# Altium PCB PCB2.PcbDoc
Units mm, origin at the board's own origin, x right, y up, seen from the top; angles counter-clockwise.
Board outline 108 x 88 mm, 2 copper layers (Top Layer, Bottom Layer); 49 components, 31 nets, 166 pads, 0 vias.
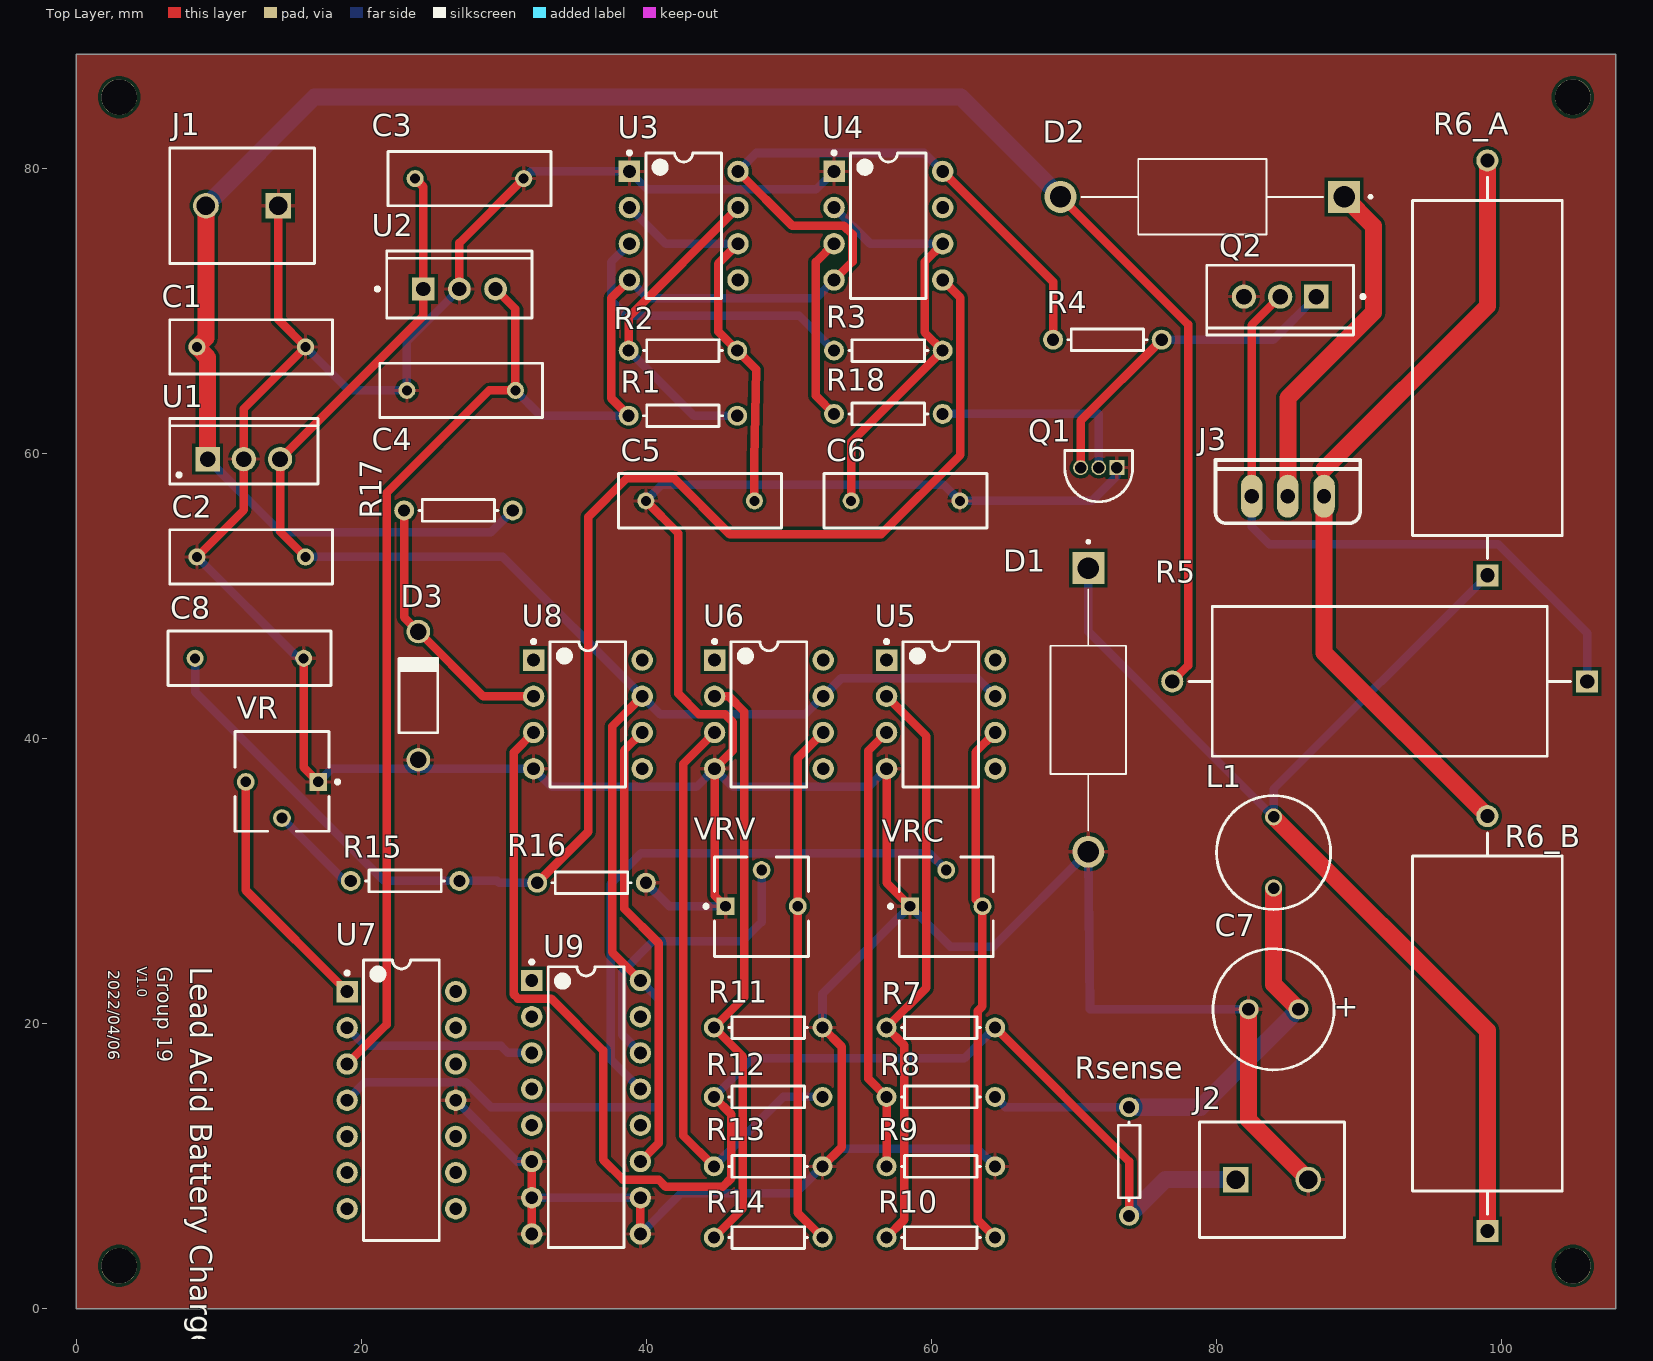
[diagram p0: Top Layer view]
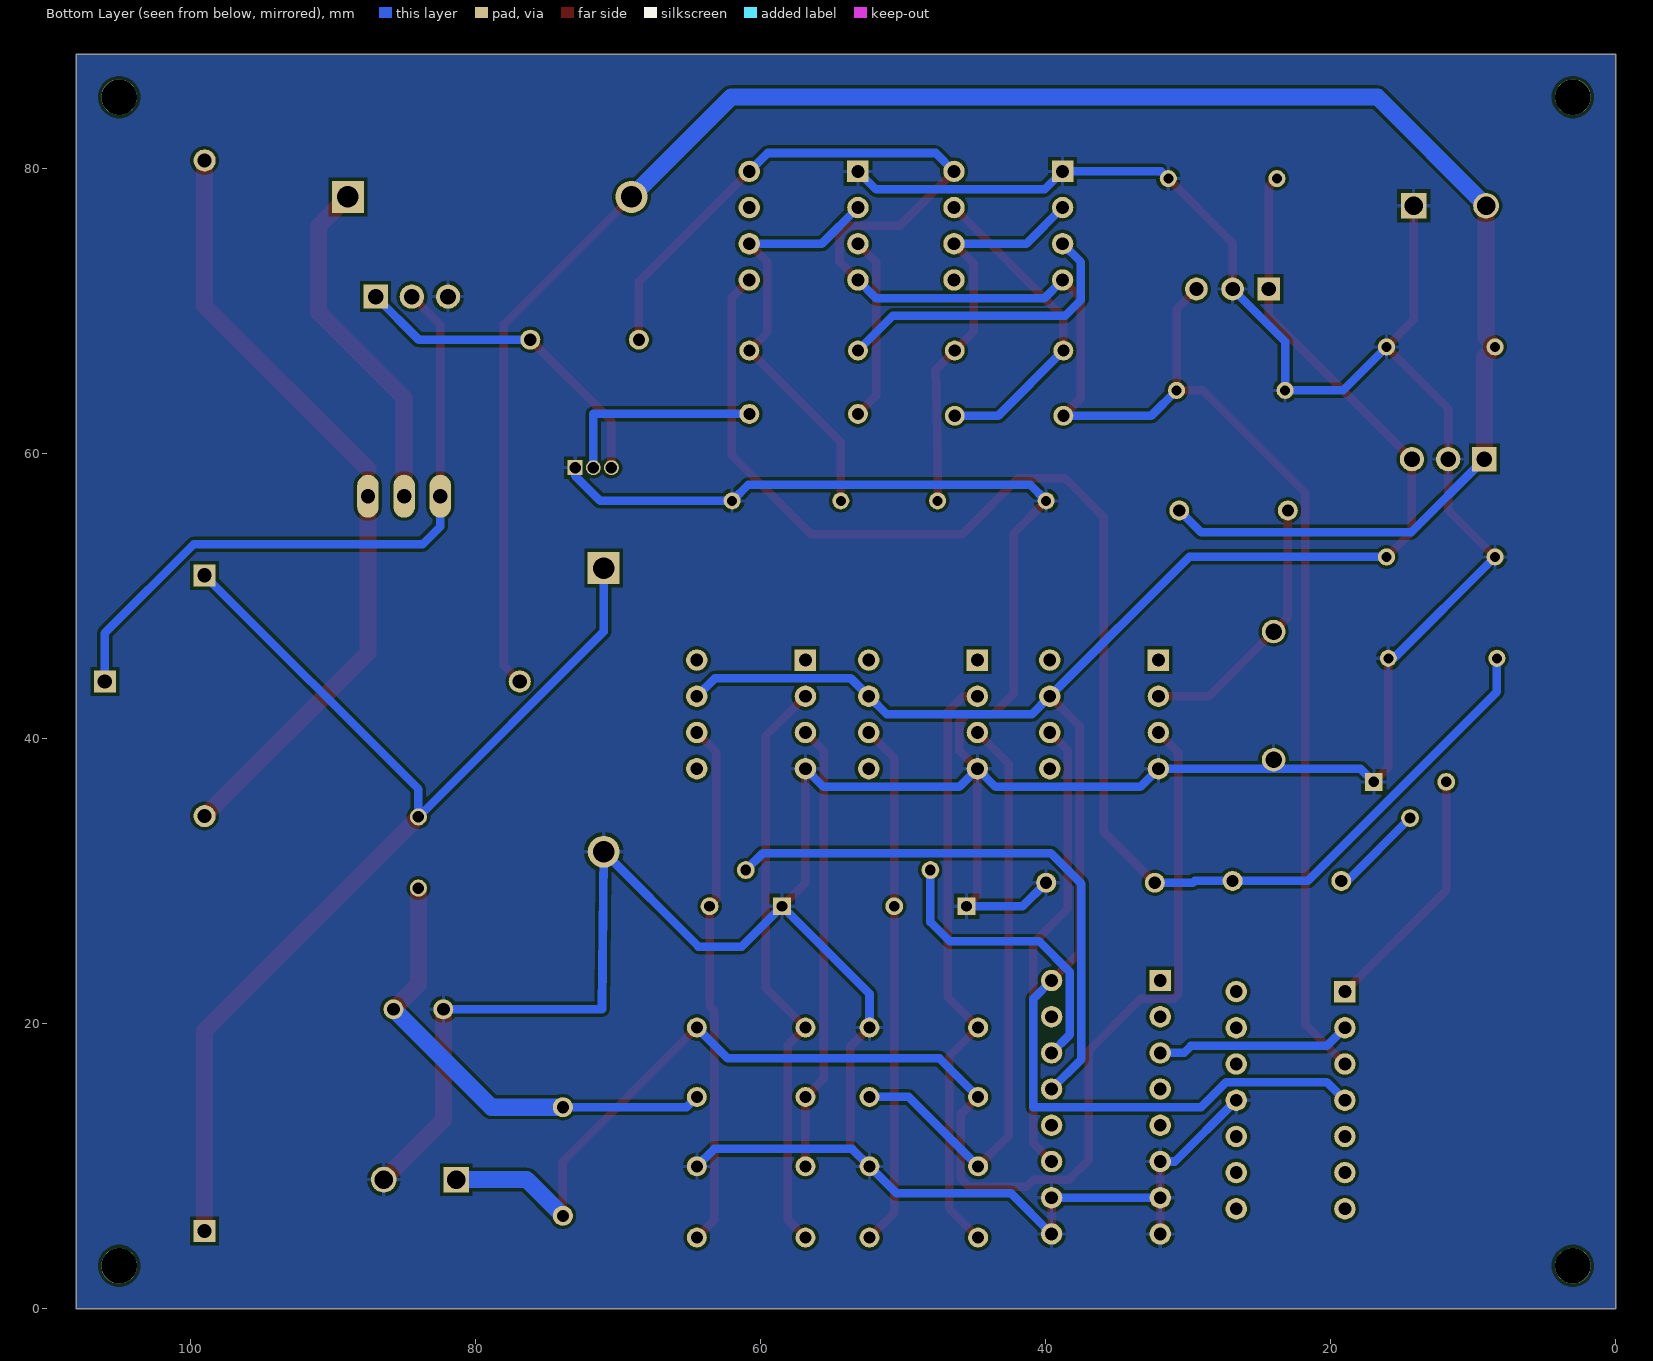
[diagram p1: Bottom Layer view, seen from below]

## Layer stack, top to bottom
Top Solder: solder mask 0.0102, Solder Resist, Dk 3.5
Top Layer: signal copper 0.0356
Dielectric 1: dielectric 0.32, FR-4, Dk 4.8
Bottom Layer: signal copper 0.0356
Bottom Solder: solder mask 0.0102, Solder Resist, Dk 3.5

## Board outline
0,0 0,88 108,88 108,0

## Design rules (kind name [scope] priority, off if disabled: settings)
Clearance [All] p1: gap=0.22 ignorepadtopadclearanceinfootprint=FALSE
Height [All] p1: minheight=0 maxheight=32 prefheight=12.7
MinimumSolderMaskSliver [All] p1: minsoldermaskwidth=0.01
PolygonConnect [All] p1: connectstyle=Relief reliefconductorwidth=0.254 reliefentries=4 polygonreliefangle="90 Angle" airgapwidth=0.254
RoutingVias [All] p1: holewidth=0.711 width=1.27 viastyle="Through Hole" minholewidth=0.711 minwidth=1.27 maxholewidth=0.711 maxwidth=1.27
SilkToSolderMaskClearance [IsPad] p1: minsilkscreentomaskgap=0.1 clearancetoexposedcopper=TRUE
SolderMaskExpansion [All] p1: expansion=0.102 istentingtop=FALSE
Width [All] p1: maxlimit=1.2 minlimit=0.254 preferedwidth=0.6
27 further rules are at their usual default settings.

## Components (designator, comment, footprint, x,y, rotation, side; value= is the part's Value field where it differs from the comment)
C1 "Cap" RAD-0.3 12.269,67.47 r180 top value=0.33uF
C2 "Cap" RAD-0.3 12.269,52.738 r0 top value=0.1uF
C3 "Cap" RAD-0.3 27.578,79.281 r180 top value=0.33uF
C4 "Cap" RAD-0.3 27,64.422 r0 top value=0.1uF
C5 "Cap" RAD-0.3 43.765,56.675 r0 top value=220pF
C6 "Cap" RAD-0.3 58.176,56.675 r180 top value=22pF
C7 "220u" PNSC-ECA-1VM221-2 84,21 r180 top
C8 "Cap" RAD-0.3 12.142,45.626 r180 top value=22uF
D1 "1N5404" DIOAD1990W125L900D530 71,42 r270 top
D2 "1N5404" DIOAD1990W125L900D530 79,78 r180 top
D3 "1N4743A" FAIR-DO-41-2_V 24,43 r90 top
J1 "1729128" PHOE-1729128-2_V 11.634,77.376 r180 top
J2 "1729128" PHOE-1729128-2_V 83.889,9.05 r0 top
J3 "IRFZ48N" TO-220 85,57 r0 top
L1 "744741101" WE-TI-LS 84,32 r270 top
Q1 "2N3904BU" FAIR-TO-92 73,59 r180 top
Q2 "TIP122" ONSC-TO-220-3-221A-09 84.46,71 r270 top
R1 "Res1" AXIAL-0.3 42.562,62.644 r180 top value=1K
R2 "Res1" AXIAL-0.3 42.562,67.216 r180 top value=15K
R3 "Res1" AXIAL-0.3 56.973,67.216 r180 top value=15K
R4 "Res1" AXIAL-0.3 72.34,67.978 r180 top value=100
R5 "100" FP-SQP500-MFG 91.445,44 r180 top value=1.2Ω
R6_A "20" FP-SQP500-MFG 99,66 r90 top value=1.2Ω
R6_B "20" FP-SQP500-MFG 99,20 r90 top value=1.2Ω
R7 "Res1" AXIAL-0.3 60.656,19.718 r180 top value=2K
R8 "Res1" AXIAL-0.3 60.656,14.85 r180 top value=2K
R9 "Res1" AXIAL-0.3 60.656,9.981 r180 top value=100K
R10 "Res1" AXIAL-0.3 60.656,4.986 r180 top value=100K
R11 "Res1" AXIAL-0.3 48.541,19.718 r180 top value=5.6K
R12 "Res1" AXIAL-0.3 48.541,14.85 r0 top value=5.6K
R13 "Res1" AXIAL-0.3 48.541,9.981 r180 top value=2K
R14 "Res1" AXIAL-0.3 48.541,4.986 r180 top value=2K
R15 "Res1" AXIAL-0.3 23.064,30.005 r180 top value=100
R16 "Res1" AXIAL-0.3 36.145,29.878 r0 top value=1k
R17 "Res1" AXIAL-0.3 26.81,56 r180 top value=5.6k
R18 "Res1" AXIAL-0.3 56.973,62.771 r180 top value=1K
Rsense "Res1" AXIAL-0.3 73.864,10.32 r270 top value=0.1
U1 "L7812CV" TO220 11.754,59.596 r0 top
U2 "LM7805CT" FAIR-TO-220-3 26.874,71.534 r90 top
U3 "NE555P" P0008A 42.612,75.979 r0 top
U4 "NE555P" P0008A 56.973,75.979 r0 top
U5 "LM741CN/NOPB" P0008A 60.656,41.689 r0 top
U6 "LM741CN/NOPB" P0008A 48.591,41.689 r0 top
U7 "TL074ACN" N0014A 22.81,14.62 r0 top
U8 "LM741CN/NOPB" P0008A 35.891,41.689 r0 top
U9 "CD4051BE" N0016A 35.764,14.13 r0 top
VR "3362P-1-103LF" BOUR-3362P 14.428,36.99 r180 top
VRC "3362P-1-103LF" BOUR-3362P 61.031,28.192 r0 top
VRV "3362P-1-103LF" BOUR-3362P 48.079,28.192 r0 top

## Footprints (in the part's own frame and the unit in brackets; to place one, negate y for a bottom-side part, rotate by r counter-clockwise, add the part's x,y. Pads: shape width x height; smd on the part's side, far side on the other; paste and mask are expansions set on the pad)
AXIAL-0.3 [mm] "Axial Device, Thru-Hole; 2 Leads; 0.3 in Pin Spacing"
  round 1.4 hole 0.85: 1(-3.81,0) 2(3.81,0)
  silkscreen extent -2.77,-0.76 2.77,0.76
BOUR-3362P [mm] "THD, 3-Leads, Body 6.6x6.99mm, Pitch 2.54mm"
  rect 1.25x1.25 hole 0.75: 1(-2.54,0.035)
  round 1.25 hole 0.75: 2(0,2.575) 3(2.54,0.035)
  silkscreen extent -4.03,-3.49 3.3,3.5, body extent -3.3,-3.15 3.3,3.84, height 2.35
DIOAD1990W125L900D530 [mm]
  round 2.25 hole 1.5: A(9.95,0)
  rect 2.25x2.25 hole 1.5: C(-9.95,0)
  silkscreen extent -11.9,-2.65 8.47,2.65, body extent -8.43,-2.8 8.43,2.8, height 5.6
FAIR-DO-41-2_V [mm] "2-Leads, Axial leaded, Body 2.72x5.2mm, Pin Spacing 9mm"
  round 1.65 hole 1.15: 1(-4.5,0) 2(4.5,0)
  silkscreen extent -2.6,-1.36 2.6,1.36, body extent -4.93,-1.36 4.93,1.36, height 2.71
FAIR-TO-92 [mm] "TO, 3-Leads, Body Dia 4.79mm, Pitch 1.27mm"
  rect 1.05x1.05 hole 0.8 mask+0.05: 1(0,0)
  round 1.05 hole 0.8 mask+0.05: 2(1.27,0) 3(2.54,0)
  silkscreen extent -1.11,-1.21 3.65,2.4, body extent -0.77,-0.94 3.31,2.11, height 5.08
FAIR-TO-220-3 [mm] "FM, 3-Leads, Body 10.2x4.7mm, Pitch 2.54mm"
  rect 1.6x1.6 hole 1: 1(0,2.54)
  round 1.6 hole 1: 2(0,0) 3(0,-2.54)
  silkscreen extent -2.04,-5.1 2.66,5.87, body extent -2.04,-5.1 2.66,5.1, height 18.95
FP-SQP500-MFG [mm]
  rect 1.55x1.55 hole 1 paste-1000 mask+0: 1(-14.555,0)
  round 1.55 hole 1 paste-1000 mask+0: 2(14.555,0)
  silkscreen extent -13.38,-5.25 13.38,5.25, body extent -15.43,-5.35 15.43,5.35, height 0.25
N0014A [mm] "DIP, 14-Leads, Body 19.7x6.6mm, Pitch 2.54mm"
  rect 1.5x1.5 hole 0.9: 1(-3.81,7.62)
  round 1.5 hole 0.9: 2(-3.81,5.08) 3(-3.81,2.54) 4(-3.81,0) 5(-3.81,-2.54) 6(-3.81,-5.08) 7(-3.81,-7.62) 8(3.81,-7.62) 9(3.81,-5.08) 10(3.81,-2.54) 11(3.81,0) 12(3.81,2.54) 13(3.81,5.08) 14(3.81,7.62)
  silkscreen extent -3.93,-9.85 2.65,9.85, body extent -3.95,-9.76 3.95,9.92, height 5.77
N0016A [mm] "DIP, 16-Leads, Body 19.7x6.6mm, Pitch 2.54mm"
  rect 1.5x1.5 hole 0.9: 1(-3.81,8.89)
  round 1.5 hole 0.9: 2(-3.81,6.35) 3(-3.81,3.81) 4(-3.81,1.27) 5(-3.81,-1.27) 6(-3.81,-3.81) 7(-3.81,-6.35) 8(-3.81,-8.89) 9(3.81,-8.89) 10(3.81,-6.35) 11(3.81,-3.81) 12(3.81,-1.27) 13(3.81,1.27) 14(3.81,3.81) 15(3.81,6.35) 16(3.81,8.89)
  silkscreen extent -3.93,-9.85 2.65,10.31, body extent -5.46,-9.65 5.46,9.65, height 4.08
ONSC-TO-220-3-221A-09 [mm] "FM, 3-Leads, Body 10.3x4.85mm, Pitch 2.54mm"
  rect 1.7x1.7 hole 1.1: 1(0,2.54)
  round 1.7 hole 1.1: 2(0,0) 3(0,-2.54)
  silkscreen extent -2.21,-5.15 2.69,5.93, body extent -2.18,-5.15 2.67,5.15, height 19.85
P0008A [mm] "DIP, 8-Leads, Body 10.15x6.6mm, Pitch 2.54mm"
  rect 1.5x1.5 hole 0.9: 1(-3.81,3.81)
  round 1.5 hole 0.9: 2(-3.81,1.27) 3(-3.81,-1.27) 4(-3.81,-3.81) 5(3.81,-3.81) 6(3.81,-1.27) 7(3.81,1.27) 8(3.81,3.81)
  silkscreen extent -3.93,-5.1 2.65,5.23, body extent -4.1,-4.64 4.11,4.64, height 4.21
PHOE-1729128-2_V [mm] "Receptacle, 2-Leads, Body 8.1x10.16mm, Pitch 5.08mm"
  rect 1.8x1.8 hole 1.3: 1(-2.54,0)
  round 1.8 hole 1.3: 2(2.54,0)
  silkscreen extent -5.08,-4.05 5.08,4.05, body extent -5.65,-4.05 5.08,4.05, height 10.01
PNSC-ECA-1VM221-2 [mm] "THD, 2-Leads, Dia 8.5mm, Body Length 12.5mm, Pin Spacing 3.5mm"
  round 1.4 hole 0.9: 1(-1.75,0) 2(1.75,0)
  silkscreen extent -4.25,-4.25 4.25,4.25, body extent -4,-4 4,4, height 11.5
RAD-0.3 [mm] "Radial Cap, Thru-Hole; 2 Leads; 0.3 in Pin Spacing"
  round 1.2 hole 0.7: 1(-3.81,0) 2(3.81,0)
  silkscreen extent -5.72,-1.9 5.71,1.91
TO220 [mm] "TO, Thru-Hole, Vertical, Heatsink Mounted; 3 In-Line Leads; Pitch 2.54 mm"
  rect 1.7x1.7 hole 1.1: 1(-2.54,0)
  round 1.7 hole 1.1: 2(0,0) 3(2.54,0)
  silkscreen extent -5.2,-1.75 5.2,2.85, body extent -5.25,-1.8 5.25,2.9, height 19.7
TO-220 [mm]
  oval 1.508x3.016 hole 1: 1(-2.54,0) 2(0,0) 3(2.54,0)
  silkscreen extent -5.08,-1.91 5.08,2.54, body extent -5.08,-1.48 5.08,2.72, height 21.24
WE-TI-LS [mm] "THT Inductor, 2-Leads, Body 8.0 x 8.0 mm"
  round 1.2 hole 0.82: 1(-2.5,0) 2(2.5,0)
  silkscreen extent -4,-4 4,4, body extent -4.34,-4.33 4.36,4.36, height 11

## Part data
C1 C2 C3 C4 C5 C6 C8: "Capacitor", LatestRevisionDate=17-Jul-2002, LatestRevisionNote="Re-released for DXP Platform.", PackageDescription="Radial Cap, Thru-Hole; 2 Leads; 0.3 in Pin Spacing", PackageReference=RAD-0.3, Published=8-Jun-2000, Publisher="Altium Limited"
C7: library part CMP-2000-05311-1, "Aluminum Electrolytic Capacitor, 220 uF, +/- 20%, 35 V, -40 to 85 degC, 2-Pin THD, RoHS, Bulk", Capacitance=220µF, Case Size/Dimension=Ø8x11.5mm, Lifetime@Temperature=2000Hrs@85degC, Manufacturer=Panasonic, Operating Temp Range=-40to+85degC, Operating Temp-Max=85degC, Package Description="2-Pin Axial Lead, Dia 8 mm, Body Length 12.5 mm", Package Reference=ECA-1VM221, Rated Voltage=35V, Ripple Current=350mA, Datasheet URL=https://datasheet.ciiva.com/26341/441851-da-01-en-elko-eca1vm221-m-r-220myf-35v-85c-26341906.pdf, Datasheet Version=Mar-06, Manufacturer URL=http://www.panasonic.com/, Series=M, Type=Radial
D1 D2: library part 1N5404RL, Package=None, Availability=Unavailable, MF="{'manufacturer': u'ON Semiconductor'}", MP=1N5404RL, Price=None
D3: library part CMP-0892-00006-1, "Zener Diode, 13V, 1W, 5%, -65 to 200 degC, 2-Pin DO-41, Body 2.72 x 5.2 mm, RoHS", Manufacturer="Fairchild Semiconductor", Operating and Storage Temperature Range="-65 to 200 degC", Test Current IZ (mA)=19, Tolerance=5%, ComponentLink1Description="Manufacturer URL", ComponentLink1URL=http://www.fairchildsemi.com/, ComponentLink2Description=Datasheet, ComponentLink2URL=http://www.fairchildsemi.com/ds/1N/1N4744A.pdf, ComponentLink3Description="Package Specification", ComponentLink3URL=http://www.fairchildsemi.com/dwg/DO/DO41A.pdf, DatasheetVersion="Rev. H3", IR (uA)=5, Mounting Technology="Through Hole", PackageDescription="2-Pin Axial leaded, Body 2.72 x 5.2 mm, Lead Spread 25.4 mm", PackageReference=DO-41-2, PackageVersion="Rev. 2", PartNumber=1N4743A, PD (W)=1, RoHS=TRUE, VZ (Max.) (V)=13.65, VZ (Min.) (V)=12.35, ZZ (Max) (ohm)=9
J1 J2: library part CMP-2000-05815-1, "PCB Terminal Block, 13.5 A, 400 V, 2-Pin THD, RoHS, Bulk", Current Rating=13500mA, Manufacturer="Phoenix Contact", Package Description="2-Pin Through Hole Device, Body 8.1 x 10.16 mm, Pitch 5.08 mm", Package Reference=1729128-2, Package Version=03/2015, Voltage Rating=400V, Datasheet URL=https://datasheet.ciiva.com/16046/1729128-16046181.pdf, Datasheet Version=12/2013, Manufacturer URL=http://www.phoenixcontact.com/, Mounting Technology=ThroughHole, No. of Positions=2, No. of Rows=1, Orientation=Horizontal, Package URL=https://www.phoenixcontact.com/online/portal/pi/pxc/product_detail_page/!ut/p/b1/3VdJjqNKFDxLH8AFycySyWY2ozFsEPOMMQaDOX1XedGL_1Vdm5YXJleknhSKeBkvI6EA8ncAo3AYoDhBQGco6KN7VURTdemj9us_IEKEZo_YHiPAEWEFmDGOHMORkqKYCORBZxgL7ZoaZYcbFFUZ3fqxSY6GOuxydWUuHqz1ynmMFygu583Bob0Ewr6Sd_l-5m-kAueHiB0jpRwZwe58wwtkpxtMYd_LmGcDRU02dRNEyWt6Y2ti5pSyJ_reIkzIulrqApdnbT11V5jnCKbYNCvhEM1MCpPByat_X379-iThf08CI5GfOPqfBeS3BRoBOdD55AKVv0iLwCMq-2BrzXWSGRH7pUGD9uwXQjiph3xL0DKQwdGa0JImiIOmBNOestqgwTHSSs2oOep-78apyXQBvNi8ZLaFjvjWvcaUEBu0MC6Wbe-d6mB0FAebo2lUWinqYaZs5DAYzV0RP9yitUjnGJ0iI9xhZkT42OCQNUJJhkgWINNQLP2JFP6OpMg3JCVg70jqHT0lvKOnhHf0lPuOnnLf0VPuWx6_dxwUIvwk5WMkT0kLL1mh61l2yZVSzG3pYV_bqo-mj6uMKwKwdnnW8Jh5RTOJzMOA5c-eJDaZQw4mTMPH02PvS_ZAqNVjVTo2WyYLkwH_KU1mmmG5kjRhDqPXLwwVHvVOjCM60-fpXvTDfMGW1PVFVS1r4e4yVDk4ZdNbkUHvqPqQSeian4UD39fNKmachqdJ1NJbyk8rXT9mXTvPk3oE5meulKGgiruPJek-4I9hTT6G8ZLOyRSm2RRVbThERQad5OS28hdt4YW4vG0stgYYzsWsK4_7y6DZMjJSCqri1kyiZR5vD7pwIrNR7QwPHTcLTI5qT7eRlpHrdGiupYlqQDJ7zy_CND8fWWBoLRXxk1RVcXiBQwbTD4Xi7KL-FuO94t9xaqweXzH, Packing=Bulk, PartNumber=1729128, Pitch=5.08mm, RoHS=TRUE
J3: library part IRFZ44NPBF, Package=None, Availability=Unavailable, MF="{'manufacturer': u'Infineon'}", MP=IRFZ44NPBF, Price=None
L1: library part CMP-0225-00030-1, "Radial Leaded Wire Wound Inductor WE-TI, L = 100 µH", Inductance="100 ÂµH", ComponentLink1Description="Manufacturer Link", ComponentLink1URL=http://www.we-online.com, ComponentLink2Description=Datasheet, ComponentLink2URL=http://www.we-online.de/katalog/media/pdf/744741101.pdf, DatasheetVersion="ver 2, Nov-2004", PackageDescription="THT Inductor, 2-Leads, Body 8.0 x 8.0 mm", PackageReference=WE-TI-LS, PackageVersion=2004
Q1: library part CMP-2000-04944-1, "NPN General-Purpose Amplifier, 40 V VCEO, 0.2 A, -55 to 150 degC, 2-Pin TO-92, RoHS, Bulk", Manufacturer=FairchildSemiconductor, Maximum Collector Base Voltage=60V, Maximum Collector Emitter Saturation Voltage=0.2@1mA@10mA, Maximum Collector Emitter Voltage=40V, Maximum DC Collector Current=0.2A, Maximum Operating Frequency=300(Min)MHz, Maximum Power Dissipation=625mW, Minimum DC Current Gain=40@0.1mA@1V, Operating Temperature=-55to150degC, Package=3TO-92, Package Description="3-Pin Transistor Outline Package, Body Dia 4.79 mm, Pitch 1.27 mm", Package Reference=TO-92, Category=GPBJT, Datasheet URL=https://datasheet.ciiva.com/4722/2n3904-82270-4722369.pdf, Datasheet Version="Rev. 1.1.0, 10/2014", Manufacturer URL=https://www.fairchildsemi.com/, Mounting=ThroughHole, Packaging=Bulk, Pin Count=3, Rad Hard=No, Type=NPN
Q2: library part CMP-1047-00126-1, "Plastic Medium-Power, Complementary Silicon Transistor, 3-Pin TO-220, Tube", Manufacturer="On Semiconductor", ComponentLink1Description="Manufacturer URL", ComponentLink1URL=http://www.onsemi.com/, ComponentLink2Description=Datasheet, ComponentLink2URL=http://www.onsemi.cn/pub_link/Collateral/TIP120-D.PDF, ComponentLink3Description="Package Specification", ComponentLink3URL=http://www.onsemi.com/pub_link/Collateral/221A-09.PDF, DatasheetVersion="Rev. 8", IC Continuous (A)=5, Mounting Technology="Through Hole", PackageDescription="3-Pin Flange Mount, Vertical Straight Lead, Body 9.97 x 4.445 mm, Pitch 2.54 mm", PackageReference=TO-220-3-221A-09, PackageVersion="Rev. AG, 09/2011", Packing=Tube, PartNumber=TIP122, Polarity=NPN, RoHS=FALSE
R1 R2 R3 R4 R7 R8 R9 R10 R11 R12 R13 R14 R15 R16 R17 R18 Rsense: "Resistor", LatestRevisionDate=17-Jul-2002, LatestRevisionNote="Re-released for DXP Platform.", PackageDescription="Axial Device, Thru-Hole; 2 Leads; 0.3 in Pin Spacing", PackageReference=AXIAL-0.3, Published=8-Jun-2000, Publisher="Altium Limited"
R5 R6_A R6_B: library part CMP-03413-000003-1, "RES 1.2 OHM 5W 5% AXIAL", Manufacturer=Yageo, Manufacturer Part Number=SQP500JB-1R2, Package=SQP500, Power Rating=5W, Resistance=1.2Ω, Temperature="-55°C to +155°C", Temperature Coefficient=300ppm/°C, Temperature Range High=+155°C, Temperature Range Low=-55°C, Tolerance=5%, Voltage Rating=350V, Automotive=No, Category=Res, ComponentLink2Description=Datasheet, ComponentLink2URL=https://datasheet.ciiva.com/2723/yageolr-sqpnsp-2013-2723111.pdf, Composition=Wirewound, Device Class L1="Passive Components", Device Class L2=Resistors, Device Class L3="Through-Hole Resistors", Digikey Description="RES 1.2 OHM 5W 5% AXIAL", Height=10mm, Ipc Land Pattern Name=RESAD2911W100L2350D1050, Lead Free=Yes, Octopart=https://octopart.com/sqp500jb-1r2-yageo-1162571, RoHS=TRUE, Series=SQP
U1: library part CMP-0244-00450-1, "Positive Voltage Regulator, 12V, 3-Pin TO-220", ComponentLink1Description="Manufacturer URL", ComponentLink1URL=http://www.st.com, ComponentLink2Description=Datasheet, ComponentLink2URL=http://www.st.com/internet/com/TECHNICAL_RESOURCES/TECHNICAL_LITERATURE/DATASHEET/CD00000444.pdf, ComponentLink3Description="Package Specification", ComponentLink3URL=http://www.st.com/internet/com/TECHNICAL_RESOURCES/TECHNICAL_LITERATURE/PACKAGE_INFORMATION/CD00004649.pdf, DatasheetVersion=16/11/2011, PackageDescription="TO, Thru-Hole, Vertical, Heatsink Mounted; 3 In-Line Leads; Pitch 2.54 mm", PackageReference=TO220, PackageVersion=ver3.0
U2: library part CMP-2000-04938-1, "Positive Voltage Regulator, 5 V, 1 A, -40 to 125 degC, 3-Pin TO-220, RoHS, Tube", Manufacturer=FairchildSemiconductor, Maximum Input Voltage=35V, Maximum Output Current=2.2(Typ)A, Maximum Quiescent Current=8mA, Operating Temperature=-40to125degC, Output Voltage=5V, Package=3TO-220AB, Package Description="3-Pin Through Hole Device, Body 10 x 4.5 mm, Pitch 2.54 mm", Package Reference=TO-220, Typical Dropout Voltage @ Current=2@1AV, Accuracy=±4%, Category=LinearRegulator, Datasheet URL=https://datasheet.ciiva.com/26904/lm7805ct-26904988.pdf, Datasheet Version=Aug-12, Line Regulation=100mV, Load Regulation=100mV, Manufacturer URL=https://www.fairchildsemi.com/, Mounting=ThroughHole, Number of Outputs=1, Output Type=Fixed, Package URL=https://www.fairchildsemi.com/package-drawings/TO/TO220B03.pdf, Packaging=Rail/Tube, Polarity=Positive, Rad Hard=No, Type=Linear
U3 U4: library part CMP-2000-04954-1, "Precision Timer, 4.5 to 16 V, 0 to 70 degC, 8-Pin DIP, Pb-Free, Tube", Manufacturer=TexasInstruments, Maximum High Level Output Current=-200mA, Maximum Low Level Output Current=200mA, Operating Supply Voltage=5, Package=8PDIP, Package Description="8-Pin Double In-line Package, Body 9.59 x 6.35 mm, Pitch 2.54 mm", Package Reference=P8, Category=Timer, Datasheet URL=http://www.ti.com/general/docs/lit/getliterature.tsp?genericPartNumber=NE555&fileType=pdf, Datasheet Version="Rev. I, 09/2014", Manufacturer URL=http://www.ti.com/, Number of Internal Timers=1, Package URL=http://www.ti.com/lit/ml/mpdi001b/mpdi001b.pdf, Packaging=Rail/Tube, Rad Hard=No, Type=Standard
U5 U6 U8: library part CMP-0055-00162-3, "Operational Amplifier, 8-pin MDIP, Pb-Free", Manufacturer="Texas Instruments", Package Reference=P0008A, PackageTopMarking=NSUZXYTTE#*LM*741CN, PowerWise=N, Code_JEDEC=MS-001-BA, ComponentLink1Description="Datasheet URL", ComponentLink1URL=http://www.ti.com/general/docs/lit/getliterature.tsp?genericPartNumber=LM741&fileType=pdf, CompType=Amplifiers, PackageDescription="MDIP, .365 x .250 x .130in, 8 Lead, .100in Pitch", PinCount=8, RoHS=Y
U7: library part CMP-0015-00134-2, "Low-Noise JFET-Input Operational Amplifier, 7 to 36 V, 0 to 70 degC, 14-pin DIP (N14), Pb-Free (RoHS)", Manufacturer="Texas Instruments", Rating=Catalog, Total Supply Voltage(Max)(+5V is 5, +/-5V is 10)=36, Total Supply Voltage(Min)(+5V is 5, +/-5V is 10)=7, CMRR(Min)(dB)=75, Code_JEDEC=MS-001, ComponentLink1Description="Manufacturer URL", ComponentLink1URL=http://www.ti.com/, ComponentLink2Description=Datasheet, ComponentLink2URL=http://www.ti.com/lit/ds/symlink/tl074a.pdf, ComponentLink3Description="Package Specification", ComponentLink3URL=http://www.ti.com/lit/ml/mpdi002c/mpdi002c.pdf, DatasheetVersion=SLOS080J, Eco-Plan="Pb-Free (RoHS)", GBW(Typ)(MHz)=3, IIB(Max)(pA)=200, Iq per channel(Max)(mA)=2.5, Mounting Technology="Through Hole", Number of Channels=4, Offset Drift(Typ)(uV/C)=18, PackageDescription="14-Pin Plastic In-Line, Body 19.305 x 6.35 mm, Pitch 2.54 mm", PackageReference=N0014A, PackageVersion="4040049/E, 12/2002", PartNumber=TL074ACN, Slew Rate(Typ)(V/us)=13, Sub Family="General Purpose Amplifier, High Supply Voltage Amplifier (>=30V)", Vio (25C)(Max)(mV)=6, Vn at 1kHz(Typ)(nV/rtHz)=18
U9: library part CMP-1575-00059-4, "CMOS Single 8-Channel Analog Multiplexer/Demultiplexer with Logic-Level Conversion, N0016A, TUBE", Generic Part Number=CD4051B, Manufacturer="Texas Instruments", Operating Temperature Range(C)="-55 to 125", Rating=Military, Bandwidth(Max)(MHz)=20, Code_JEDEC=MS-001, Configuration="1 X 1：8 MUX", Crosstalk=Yes, DatasheetVersion=SCHS047G, ICC(Typ)(mA)=0.00008, Output Drive (IOL/IOH)(Max)(mA)=1, Output Type=CMOS, PackageReference=N0016A, PackageVersion=http://www.ti.com/lit/ml/mpdi002c/mpdi002c.pdf, Ron(Max)(Ohms)=240, Ron(Typ)(Ohms)=125, VCC(Max)(V)=18, VCC(Min)(V)=5
VR VRC VRV: library part CMP-1747-00004-1, "Square Trimpot(R) Trimming Potentiometer, 10 KOhm, 300 V, -55 to 125 degC, 3-Pin THD, RoHS, Tube", Case Code (Imperial)=0612, Case Code (Metric)=1632, Case/Package=1206, Max Operating Temperature=125degC, Min Operating Temperature=-25degC, Package Quantity=5000, Power Rating="1 W", Resistance="50 mohm", Tolerance=1%, Voltage Rating="220 mV", ComponentLink1Description="Manufacturer URL", ComponentLink1URL=http://www.bourns.com/, ComponentLink2Description=Datasheet, ComponentLink2URL=http://www.bourns.com/docs/Product-Datasheets/3362.pdf, DatasheetVersion=May-16, Height="0.6 mm", Length="3.2 mm", Mount="Surface Mount", PackageDescription="3-Pin Through Hole Device, Body 6.6 x 6.99 mm, Pitch 2.54 mm", PackageReference=3326P, Packaging="Tape and Reel", Pins=2, REACH SVHC="No SVHC", RoHSCompliant=True, Width="1.6 mm"

## Free pads (board coordinates)
  round 2.5 hole 2.5: 2(3,85) 4(105,3) 5(3,3) 6(105,85)

## Nets (pads, with @x,y where several pads share a name; then routed paths per layer and width w, separated by ;. In a path a pad name is that pad's centre, name@x,y a point inside that pad or via, vN(x,y) a via of type N, cw(c..) or ccw(c..) an arc to the next point about the centre after c; other vN are vias at no path point)
5V: C4.2 R1.2 R4.2 U2.3 U3.4 U3.8 U4.4 U4.8 U7.3 | length 139.6
  Top Layer w0.6: U7.3 21.768,19.928 21.768,57.226 28.964,64.422 C4.2 30.81,70.138 U2.3 ; R1.2 37.532,63.864 37.532,70.899 U3.4 ; U3.8 50.232,75.979 53.848,75.979 54.458,75.369 54.458,73.464 U4.4 ; U4.8 68.53,72.042 R4.2
  Bottom Layer w0.6: C4.2 32.588,62.644 R1.2 ; U3.4 40.079,70.891 51.885,70.891 U4.4 ; U3.8 47.709,81.077 59.495,81.077 U4.8
12V: C2.2 C3.2 U1.3 U2.1 U5.7 U6.7 U7.4 U8.7 U9.16 | length 140.4
  Top Layer w0.6: C2.2 14.294,54.523 U1.3 24.334,69.636 U2.1 24.334,78.715 C3.2 ; U9.16 37.592,25.002 37.592,40.85 U8.7
  Bottom Layer w0.6: C2.2 29.922,52.738 U8.7 40.971,41.689 51.131,41.689 U6.7 53.671,44.229 63.196,44.229 U5.7 ; U7.4 20.27,15.89 27.323,15.89 29.083,14.13 40.843,14.13 40.869,14.155 40.869,21.725 U9.16
13V: D3.2 R17.2 U8.2 | length 18.9
  Top Layer w0.6: R17.2 23,48.5 D3.2 28.541,42.959 U8.2
30V: C1.2 D2.A J1.2 R5.2 R17.1 U1.1 | length 146.7
  Top Layer w0.6: D2.A 78,69.05 78,45.11 R5.2
  Top Layer w1.2: J1.2 9.094,68.105 C1.2 9.214,66.715 U1.1
  Bottom Layer w0.6: U1.1 14.352,54.458 29.078,54.458 R17.1
  Bottom Layer w1.2: J1.2 16.718,85 62.05,85 D2.A
F: C8.2 R15.1 R16.1 U4.5 | length 103
  Top Layer w0.6: R16.1 35.916,33.459 35.916,55.55 38.633,58.268 41.91,58.268 45.847,54.331 56.464,54.331 62.027,59.893 62.027,70.925 U4.5
  Bottom Layer w0.6: C8.2 8.332,43.281 21.608,30.005 R15.1 29.54,30.005 29.667,29.878 R16.1
F1: C7.1 L1.2 R8.1 Rsense.1 | length 33.7
  Top Layer w1.2: L1.2 84,22.75 C7.1
  Bottom Layer w0.6: R8.1 65.186,14.13 Rsense.1
  Bottom Layer w1.2: Rsense.1 78.88,14.13 C7.1
F2: J2.1 R7.1 R12.1 Rsense.2 U8.3 | length 98.2
  Top Layer w0.6: U8.3 30.683,39.021 30.683,22.055 30.988,21.75 33.325,21.75 36.957,18.118 36.957,10.439 38.346,9.05 40.843,9.05 41.359,8.534 45.341,8.534 45.951,9.144 45.951,13.63 R12.1 ; R7.1 73.864,10.32 Rsense.2
  Bottom Layer w0.6: R12.1 47.433,17.551 62.299,17.551 R7.1
  Bottom Layer w1.2: Rsense.2 76.404,9.05 J2.1
GND: C1.1 C2.1 C3.1 C4.1 C5.1 C6.1 C7.2 C8.1 D1.A D3.1 J1.1 J2.2 Q1.1 Q2.3 R9.1 R11.1 R13.1 R16.2 U1.2 U2.2 U3.1 U4.1 U5.4 U6.4 U7.11 U8.4 U9.6 U9.7 U9.8 U9.9 U9.10 VR.1 VRC.1 VRV.1 | length 349.3
  Top Layer w0.6: C2.1 11.754,56.033 U1.2 11.754,63.145 C1.1 14.174,69.375 J1.1 ; C8.1 15.952,37.971 VR.1 ; U2.2 26.874,74.767 C3.1 ; U9.8 U9.7 U9.6 ; U9.9 U9.10 ; C5.1 42.24,54.39 42.24,43.137 43.688,41.689 45.51,41.689 46.051,41.148 46.051,39.149 U6.4 44.781,28.985 VRV.1 ; R13.1 53.696,11.326 53.696,18.373 R11.1 ; U5.4 56.846,29.872 VRC.1
  Top Layer w1.2: C7.2 82.25,13.229 J2.2
  Bottom Layer w0.6: C2.1 15.571,45.626 C8.1 ; C1.1 19.127,64.422 C4.1 23.19,67.85 U2.2 ; VR.1 17.892,37.879 U8.4 33.359,36.601 43.503,36.601 U6.4 46.059,36.601 55.568,36.601 U5.4 ; U7.11 30.92,10.32 U9.6 ; C3.1 31.896,79.789 U3.1 40.072,78.519 51.893,78.519 U4.1 ; U9.7 U9.10 ; U9.9 42.437,8.103 50.472,8.103 R13.1 53.571,11.201 63.246,11.201 R9.1 ; R16.2 41.606,28.227 VRV.1 ; C5.1 41.09,57.81 60.851,57.81 C6.1 71.255,56.675 73,58.42 Q1.1 ; R11.1 52.351,22.087 VRC.1 61.318,25.4 64.35,25.4 D1.A 71.12,21 C7.2
NetC5_2: C5.2 R2.1 U3.2 U3.6 | length 28.4
  Top Layer w0.6: U3.6 45.034,73.322 45.034,68.553 R2.1 47.701,65.886 47.575,59.589 C5.2
  Bottom Layer w0.6: U3.2 41.342,74.709 U3.6
NetC6_2: C6.2 R3.1 U4.2 U4.6 | length 30.4
  Top Layer w0.6: C6.2 54.366,60.799 R3.1 59.512,68.487 59.512,73.438 U4.6
  Bottom Layer w0.6: U4.2 55.703,74.709 U4.6
NetD1_C: D1.C L1.1 R6_A.1 R6_B.1 | length 81.3
  Top Layer w1.2: L1.1 99,19.5 R6_B.1
  Bottom Layer w0.6: D1.C 71,47.5 L1.1 84,36.445 R6_A.1
NetD2_C: D2.C J3.2 | length 24.3
  Top Layer w1.2: J3.2 85,63.881 91,69.881 91,75.95 D2.C
NetJ3_1: J3.1 Q2.2 R5.1 | length 47
  Top Layer w0.6: J3.1 82.46,69 Q2.2
  Bottom Layer w0.6: J3.1 82.46,54.864 83.705,53.619 99.771,53.619 106,47.391 R5.1
NetJ3_3: J3.3 R6_A.2 R6_B.2 | length 55.5
  Top Layer w0.6: J3.3 87.54,58.889
  Top Layer w1.2: J3.3 87.54,46.015 R6_B.2 ; 87.54,58.889 99,70.349 R6_A.2
NetQ1_3: Q1.3 Q2.1 R4.1 | length 23.4
  Top Layer w0.6: Q1.3 70.46,62.288 R4.1
  Bottom Layer w0.6: R4.1 83.978,67.978 Q2.1
NetR1_1: R1.1 R2.2 U3.7 | length 22.7
  Top Layer w0.6: R2.2 38.752,69.579 U3.7
  Bottom Layer w0.6: R2.2 43.324,62.644 R1.1
NetR3_2: R3.2 U3.3 | length 21.6
  Bottom Layer w0.6: U3.3 37.516,73.423 37.516,70.764 38.608,69.672 50.707,69.672 R3.2
NetR7_2: R7.2 R10.2 U5.2 | length 41.3
  Top Layer w0.6: R10.2 58.09,6.23 58.09,18.474 R7.2 59.639,22.511 59.639,40.166 U5.2
NetR8_2: R8.2 R9.2 U5.3 | length 31.5
  Top Layer w0.6: R9.2 R8.2 55.575,16.12 55.575,39.148 U5.3
NetR10_1: R10.1 U5.6 VRC.3 | length 36.8
  Top Layer w0.6: R10.1 63.246,6.206 63.246,20.884 63.571,21.209 VRC.3 63.094,28.704 63.094,39.047 U5.6
NetR11_2: R11.2 R14.2 U6.2 | length 42
  Top Layer w0.6: R14.2 46.771,7.026 46.771,17.678 R11.2 46.871,21.858 46.871,41.866 45.778,42.959 U6.2
NetR12_2: R12.2 R13.2 U6.3 | length 41.9
  Top Layer w0.6: R13.2 42.57,12.142 42.57,38.208 U6.3
  Bottom Layer w0.6: R13.2 49.599,14.85 R12.2
NetR14_1: R14.1 U6.6 VRV.3 | length 36.9
  Top Layer w0.6: R14.1 50.619,6.718 VRV.3 50.619,38.637 U6.6
NetR15_2: R15.2 VR.2 | length 6.7
  Bottom Layer w0.6: VR.2 18.838,30.005 R15.2
NetR18_2: R18.2 U4.3 | length 13
  Top Layer w0.6: R18.2 51.892,64.042 51.892,73.438 U4.3
NetU7_1: U7.1 VR.3 | length 17.7
  Top Layer w0.6: VR.3 11.888,29.352 U7.1
OUT: Q1.2 R18.1 | length 14.7
  Bottom Layer w0.6: R18.1 71.722,62.771 71.73,62.763 Q1.2
P3: U7.2 U9.3 | length 13.7
  Bottom Layer w0.6: U7.2 20.27,18.43 29.794,18.43 30.284,17.94 U9.3
P11: U8.6 U9.11 | length 32.2
  Top Layer w0.6: U9.11 40.869,11.615 40.869,25.629 38.43,28.067 38.43,39.148 U8.6
P13: U9.13 VRC.2 | length 40.2
  Bottom Layer w0.6: U9.13 37.484,17.49 37.484,29.813 39.624,31.953 59.845,31.953 VRC.2
P14: U9.14 VRV.2 | length 21.1
  Bottom Layer w0.6: U9.14 38.304,19.21 38.304,23.623 40.462,25.781 46.736,25.781 48.079,27.124 VRV.2
pads on no net: U3.5 U4.7 U5.1 U5.5 U5.8 U6.1 U6.5 U6.8 U7.5 U7.6 U7.7 U7.8 U7.9 U7.10 U7.12 U7.13 U7.14 U8.1 U8.5 U8.8 U9.1 U9.2 U9.4 U9.5 U9.12 U9.15

## Polygon pours and split planes (outlines as drawn)
GND on Bottom Layer "GND_L02_P000" (solid, pour order 0): 0,88 108,88 108,0 0,0
GND on Top Layer "GND_L01_P001" (solid, pour order 1): 0,88 108,88 108,0 0,0

## Silkscreen, mask and mechanical layers (free items; w line width, h text height)
Top Overlay:
  text "V1.0" at 4.014,24 h1.2 r270
  text "Group 19" at 5.32,24 h1.8 r270
  text "Lead Acid Battery Charger" at 8,24 h1.52 r270
  text "2022/04/06" at 2.254,23.746 h0.8 r270
Board Shape:
  the board outline again, w0.6

## Text inside footprints (layer, text, board x,y; h text height)
C7: Top Overlay "+" at 89.969,21.762 h1.52 r180